# Allegro board 1156197-TDI_VU3P_QSFP28_CXP_V001_1023A-166-20241121_1644_PCB.brd (continued)
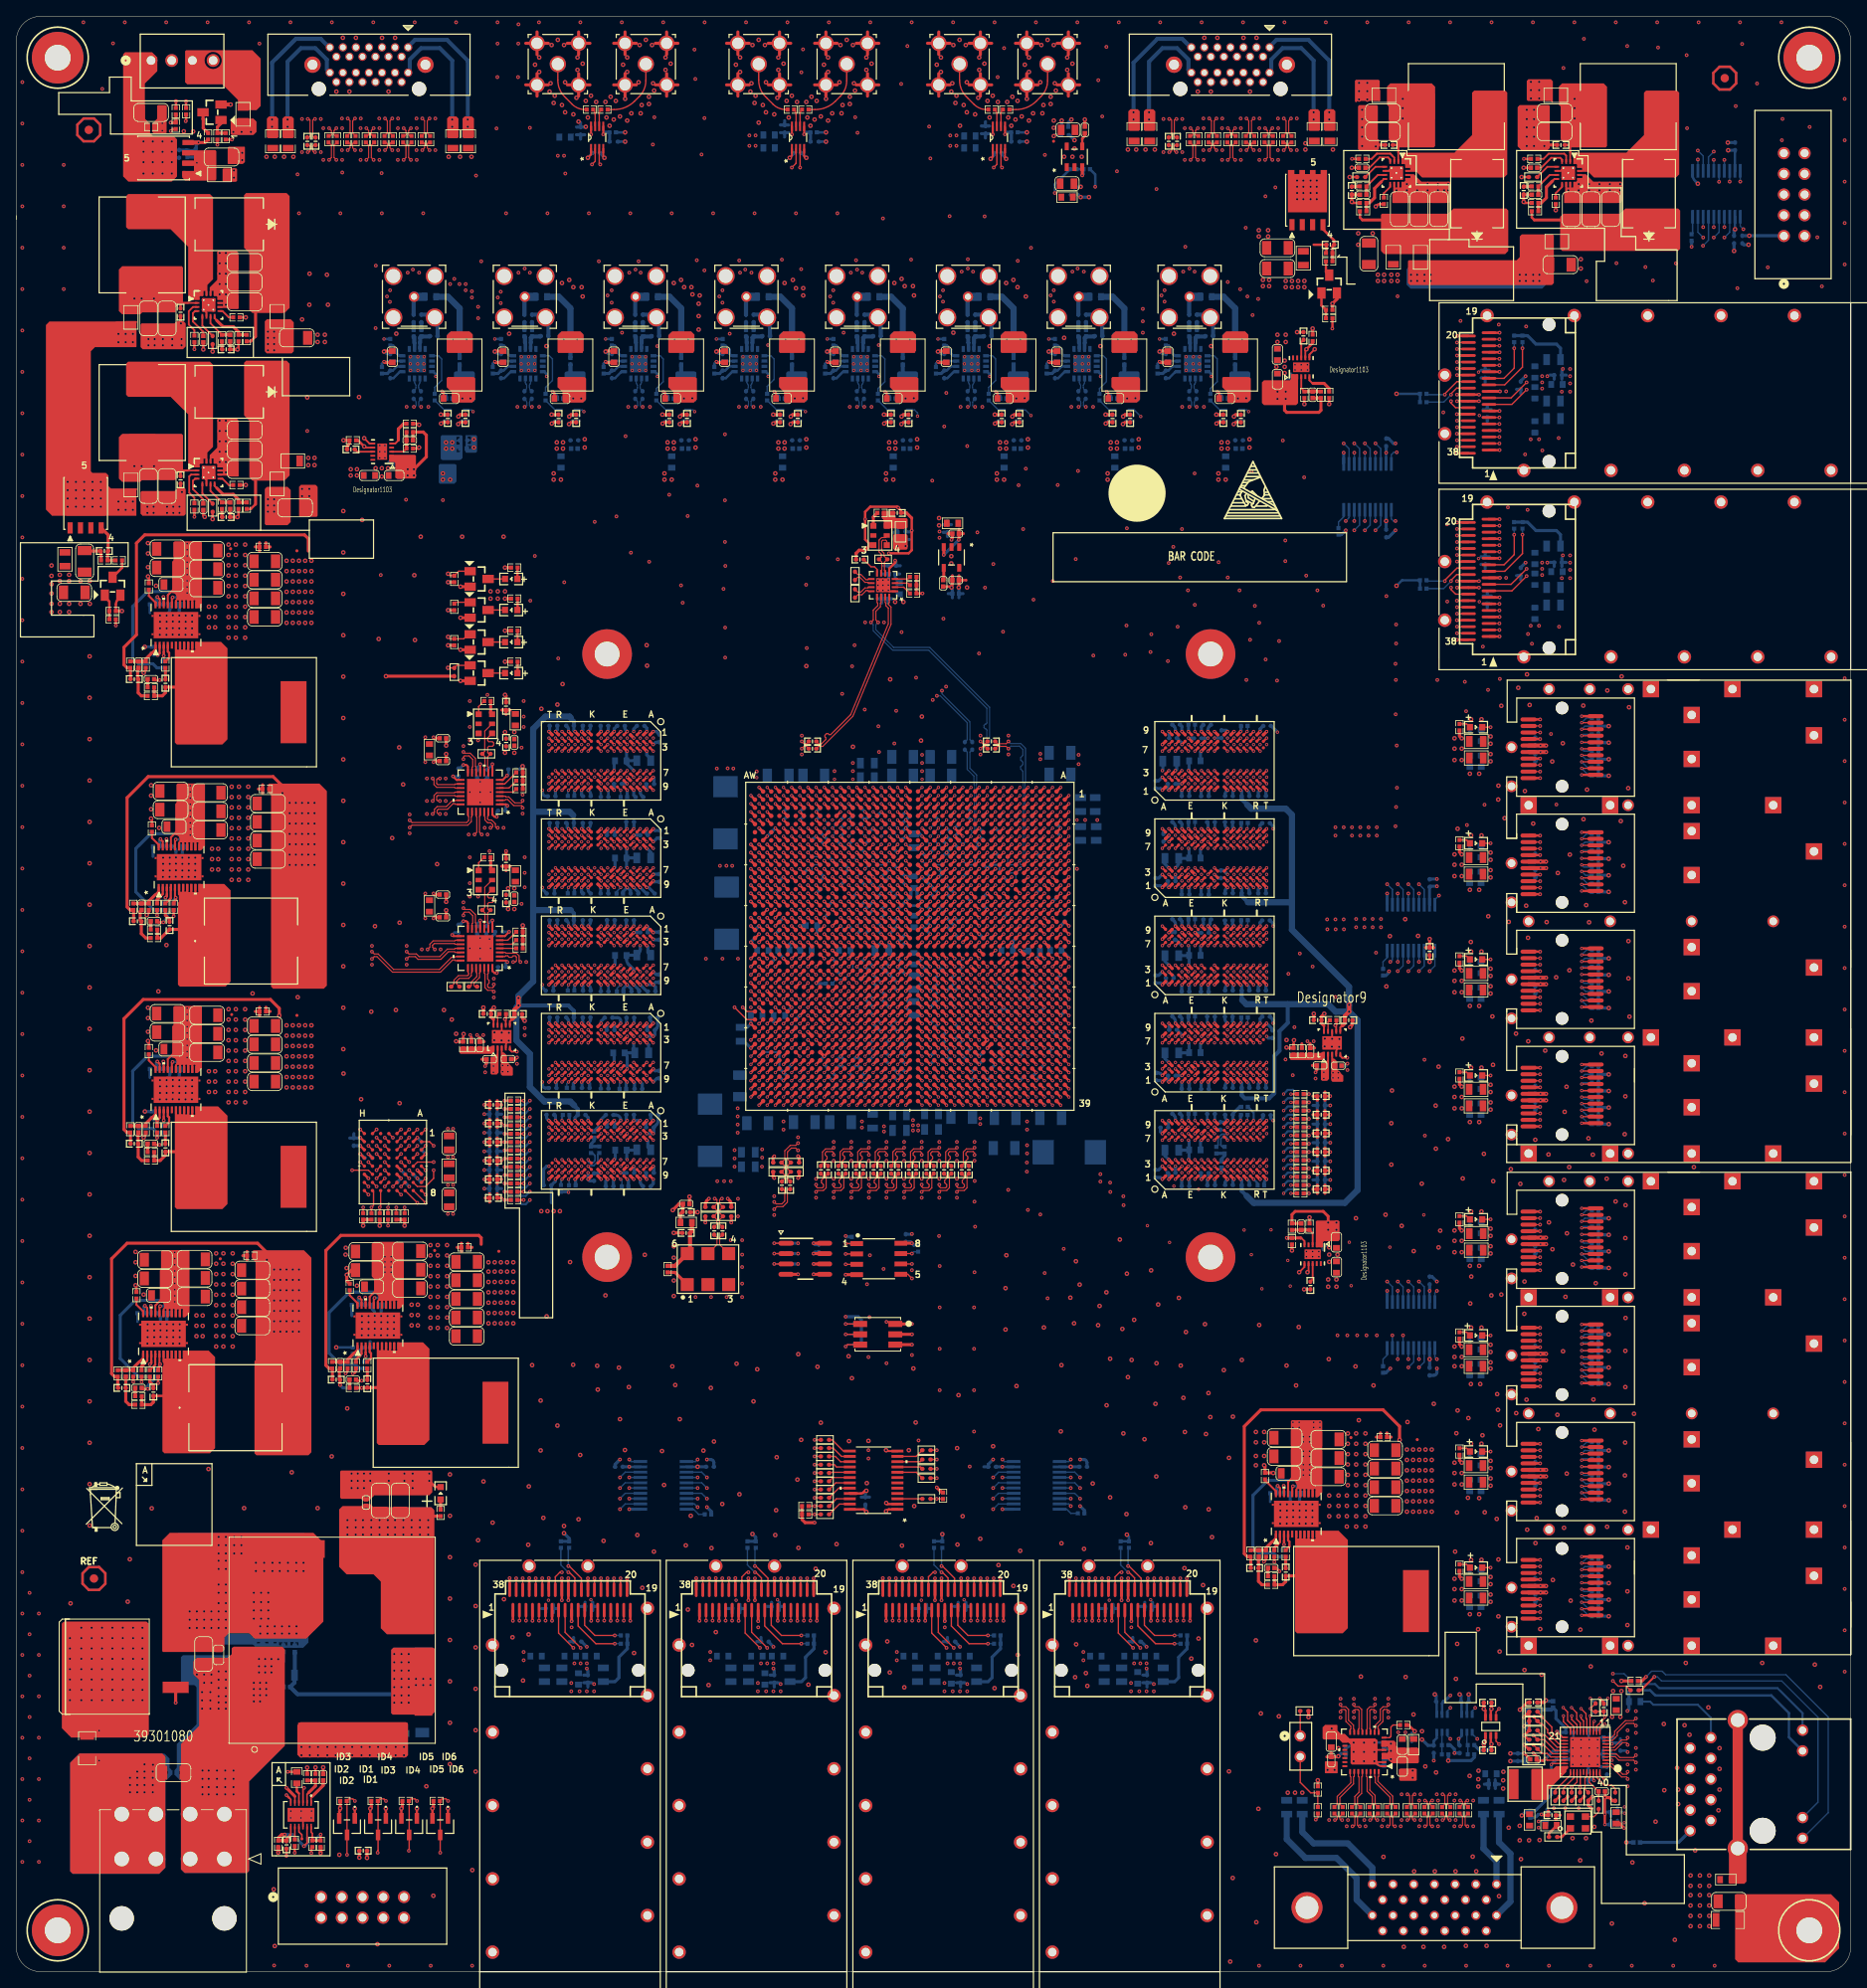
[diagram p0: board, top side]
## Routing (per net, layer and track width the routed paths; a pad name or vN(x,y) marks a point on that pad's centre or on a via; arc(x,y) is an arc through that point) (continued)
CHA_BPI_FLASH_A14: length 138.2
  TOP w0.152: U1.AN32 v1(96.1,113.36)
  TOP w0.17: U3.C5 v1(47.19,99.37)
  ART12 w0.122: v1(47.19,99.37) 46.69,98.87 46.69,95.17 46.99,94.87 53.75,94.87 56.72,91.9 58.47,91.9 59.59,90.78 68.96,90.78 70.33,92.15 76.63,92.15 77.98,90.81 79.63,90.81 80.09,90.35 80.09,82.6 80.39,82.3 90.14,82.3 90.3,82.45 90.3,82.75 90.18,82.87 89.66,82.87 89.53,82.99 89.53,83.24 89.66,83.36 91.06,83.36 91.19,83.48 91.19,83.72 91.06,83.84 89.66,83.84 89.53,83.97 89.53,84.21 89.66,84.33 91.83,84.33 91.95,84.45 91.95,84.7 91.83,84.82 89.66,84.82 89.53,84.94 89.53,85.19 89.66,85.31 91.83,85.31 91.95,85.43 91.95,85.67 91.83,85.8 89.66,85.8 89.53,85.92 89.53,86.16 89.66,86.28 91.83,86.28 91.95,86.4 91.95,86.65 91.83,86.77 89.66,86.77 89.53,86.89 89.53,87.14 89.66,87.26 91.83,87.26 91.95,87.38 91.95,87.62 91.83,87.75 89.66,87.75 89.53,87.87 89.53,88.11 89.66,88.23 91.83,88.23 91.95,88.36 91.95,88.6 91.83,88.72 89.66,88.72 89.53,88.84 89.53,89.09 89.66,89.21 91.83,89.21 91.95,89.33 91.95,89.57 91.83,89.7 89.66,89.7 89.53,89.82 89.53,90.17 89.66,90.3 91.72,90.3 92.78,91.35 92.78,91.53 92.56,91.75 92.56,91.92 92.73,92.09 92.9,92.09 93.12,91.87 93.29,91.87 93.73,92.3 93.73,93.02 93.85,93.15 94.75,93.15 94.87,93.27 94.87,93.51 94.75,93.63 93.85,93.63 93.73,93.76 93.73,94 93.85,94.12 94.75,94.12 94.87,94.24 94.87,94.49 94.75,94.61 93.85,94.61 93.73,94.73 93.73,94.98 93.85,95.1 94.75,95.1 94.87,95.22 94.87,95.46 94.75,95.59 93.85,95.59 93.73,95.71 93.73,98.55 94.61,99.44 94.61,103.13 94.74,103.25 95.33,103.25 95.45,103.37 95.45,103.61 95.33,103.74 94.74,103.74 94.61,103.86 94.61,104.1 94.74,104.22 95.51,104.22 95.63,104.35 95.63,104.59 95.51,104.71 94.69,104.71 94.56,104.83 94.56,105.08 94.69,105.2 95.51,105.2 95.63,105.32 95.63,105.57 95.51,105.69 94.74,105.69 94.61,105.81 94.61,111.51 95.12,112.01 95.12,112.65 95.83,113.36 v1(96.1,113.36)
CHA_BPI_FLASH_A15: length 137.2
  TOP w0.17: U1.AN33 v1(97.1,113.36) ; U3.D7 v1(46.19,96.37)
  ART12 w0.122: v1(46.19,96.37) 46.19,95.03 46.86,94.36 48.26,94.36 48.72,93.9 50.62,93.9 51.16,94.44 52.59,94.44 52.71,94.32 52.71,93.85 52.83,93.73 53.08,93.73 53.2,93.85 53.2,94.32 53.32,94.44 53.54,94.44 56.54,91.44 58.29,91.44 59.39,90.35 69.14,90.35 70.54,91.74 76.25,91.74 77.67,90.32 79.51,90.32 79.63,90.2 79.63,89.89 79.51,89.77 77.72,89.77 77.6,89.65 77.6,89.41 77.72,89.28 79.51,89.28 79.63,89.16 79.63,88.92 79.51,88.8 77.77,88.8 77.65,88.68 77.65,88.43 77.77,88.31 79.51,88.31 79.63,88.19 79.63,87.94 79.51,87.82 77.74,87.82 77.62,87.7 77.62,87.46 77.74,87.33 79.51,87.33 79.63,87.21 79.63,86.97 79.51,86.85 77.34,86.85 77.22,86.72 77.22,86.48 77.34,86.36 79.51,86.36 79.63,86.24 79.63,85.99 79.51,85.87 77.34,85.87 77.22,85.75 77.22,85.51 77.34,85.38 79.51,85.38 79.63,85.26 79.63,85.02 79.51,84.9 77.34,84.9 77.22,84.77 77.22,84.53 77.34,84.41 79.51,84.41 79.63,84.29 79.63,84.04 79.51,83.92 77.34,83.92 77.22,83.8 77.22,83.55 77.34,83.43 79.51,83.43 79.63,83.31 79.63,83.07 79.51,82.94 77.34,82.94 77.22,82.82 77.22,82.58 77.34,82.46 79.65,82.46 80.21,81.89 90.4,81.89 92.46,83.95 92.46,90.17 95.38,93.09 95.38,95.89 95.26,96.01 94.23,96.01 94.11,96.13 94.11,96.38 94.23,96.5 95.26,96.5 95.38,96.62 95.38,96.86 95.26,96.99 94.23,96.99 94.11,97.11 94.11,97.35 94.23,97.47 95.26,97.47 95.38,97.6 95.38,97.84 95.26,97.96 94.23,97.96 94.11,98.08 94.11,98.33 94.23,98.45 96.04,98.45 96.14,98.55 96.14,98.93 96.01,99.06 95.24,99.06 95.12,99.18 95.12,102.39 96.01,103.28 96.01,105.79 95.63,106.17 95.63,112.65 95.83,112.84 96.33,112.84 96.85,113.36 v1(97.1,113.36)
CHA_BPI_FLASH_A16: length 141.2
  TOP w0.152: U1.AR29 v1(94.1,116.36)
  TOP w0.17: U3.D8 v1(47.19,95.37)
  ART12 w0.122: v1(94.1,116.36) 94.63,115.82 96.27,115.82 96.6,115.49 96.6,114.13 96.33,113.86 94.93,113.86 94.6,113.52 94.6,112.13 94.36,111.89 93.85,111.89 93.6,111.63 93.6,102.97 94.16,102.41 94.16,100.8 94.04,100.68 93.59,100.68 93.47,100.56 93.47,100.31 93.59,100.19 94.04,100.19 94.16,100.07 94.16,99.75 93.48,99.07 93.31,99.07 92.85,99.53 92.68,99.53 92.5,99.36 92.5,99.19 92.97,98.73 92.97,98.55 91.95,97.54 91.95,96.9 92.07,96.77 93.1,96.77 93.22,96.65 93.22,96.41 93.1,96.29 92.07,96.29 91.95,96.16 91.95,91.24 91.64,90.93 91.09,90.93 90.96,91.05 90.96,92.08 90.84,92.2 90.57,92.2 90.45,92.08 90.45,90.95 90.33,90.83 90.09,90.83 89.96,90.95 89.96,92.08 89.84,92.2 89.53,92.2 89.41,92.08 89.41,90.8 89.29,90.68 88.95,90.68 88.83,90.8 88.83,91.57 88.7,91.69 88.46,91.69 88.34,91.57 88.34,90.39 88.22,90.27 87.97,90.27 87.85,90.39 87.85,91.32 87.73,91.44 87.48,91.44 87.36,91.32 87.36,90.39 87.24,90.27 87,90.27 86.87,90.39 86.87,91.52 86.75,91.64 86.53,91.64 86.41,91.52 86.41,90.67 86.29,90.55 83.69,90.55 83.01,91.24 82.8,91.24 82.68,91.11 82.68,89.91 82.56,89.79 82.31,89.79 82.19,89.91 82.19,91.11 82.07,91.24 81.83,91.24 81.71,91.11 81.71,89.91 81.58,89.79 81.34,89.79 81.22,89.91 81.22,91.11 81.1,91.24 78.44,91.24 77.09,92.58 70.15,92.58 68.76,91.19 59.82,91.19 58.67,92.33 56.95,92.33 55.54,93.74 55.54,104.99 54.28,106.25 54.28,108.97 53.95,109.3 47.7,109.3 47.37,108.97 47.37,107.95 48.16,107.16 48.16,106.53 48.39,106.3 51.69,106.3 54.61,103.38 54.61,96.14 53.85,95.38 51.05,95.38 50.65,95.78 47.6,95.78 v1(47.19,95.37)
CHA_BPI_FLASH_A17: length 139.3
  TOP w0.152: U1.AR30 v1(94.1,115.36)
  TOP w0.17: v1(50.19,97.37) U3.A7
  ART12 w0.122: v1(94.1,115.36) 93.8,115.36 93.3,114.86 92.89,114.86 92.6,114.57 92.6,114.06 92.39,113.86 91.91,113.86 91.6,113.55 91.6,113.19 91.25,112.84 90.8,112.84 90.6,112.65 90.6,106.98 90.42,106.81 90.42,93.9 90.27,93.75 89.98,93.75 89.86,93.87 89.86,94.39 89.74,94.51 89.49,94.51 89.37,94.39 89.37,93.87 89.25,93.75 86.64,93.75 86.3,93.41 86.13,93.41 85.77,93.77 85.6,93.77 85.42,93.6 85.42,93.43 85.78,93.07 85.78,92.9 85.34,92.46 84.76,92.46 84.63,92.58 84.63,93.63 84.51,93.75 84.27,93.75 84.15,93.63 84.15,92.58 84.02,92.46 83.14,92.46 83.01,92.58 83.01,93.02 82.89,93.14 82.65,93.14 82.53,93.02 82.53,92.58 82.4,92.46 82.16,92.46 82.04,92.58 82.04,93.02 81.92,93.14 81.67,93.14 81.55,93.02 81.55,92.58 81.43,92.46 79.17,92.46 77.77,93.85 69.6,93.85 68.12,92.38 60.53,92.38 59.08,93.83 57.38,93.83 56.87,94.34 56.87,105.56 55.7,106.73 55.7,111.84 55.3,112.24 44.27,112.24 44.15,112.12 44.15,111.88 44.27,111.75 45.47,111.75 45.59,111.63 45.59,111.39 45.47,111.27 44.24,111.27 44.12,111.15 44.12,110.9 44.24,110.78 45.47,110.78 45.59,110.66 45.59,110.41 45.47,110.29 44.24,110.29 44.12,110.17 44.12,109.93 44.24,109.8 45.47,109.8 45.59,109.68 45.59,109.44 45.47,109.32 44.24,109.32 44.12,109.19 44.12,108.95 44.24,108.83 45.47,108.83 45.59,108.71 45.59,108.46 45.47,108.34 44.24,108.34 44.12,108.22 44.12,107.98 44.24,107.85 45.47,107.85 45.59,107.73 45.59,107.49 45.47,107.37 44.24,107.37 44.12,107.24 44.12,107 44.24,106.88 45.85,106.88 45.97,106.76 45.97,106.51 45.85,106.39 44.24,106.39 44.12,106.27 44.12,105.54 44.4,105.26 46.35,105.26 46.86,104.75 50.65,104.75 51.18,104.22 51.18,102.18 51.65,101.71 51.65,99.15 51.79,99.01 52.08,99.01 52.2,98.89 52.2,98.65 52.08,98.52 51.79,98.52 51.66,98.4 51.66,98.16 51.79,98.04 52.08,98.04 52.2,97.91 52.2,97.67 52.08,97.55 51.79,97.55 51.39,97.16 50.41,97.16 v1(50.19,97.37)
CHA_BPI_FLASH_A18: length 138.4
  TOP w0.152: U1.AP28 v1(95.1,117.36)
  TOP w0.17: U3.B7 49.19,96.37 50.19,96.37 51.19,97.37 v1(51.19,98.37)
  ART12 w0.122: v1(95.1,117.36) 93.87,117.36 93.35,116.84 92.96,116.84 92.6,116.48 92.6,116.1 92.36,115.86 91.85,115.86 91.62,115.62 91.62,115.12 91.36,114.86 89.46,114.86 89.03,114.43 89.03,106.93 89.53,106.43 89.53,96.14 88.9,95.5 84.33,95.5 82.85,94.03 78.92,94.03 78.28,94.67 69.06,94.67 68.38,93.98 64.16,93.98 63.53,93.34 61.47,93.34 60.78,94.03 60.78,107.11 60.2,107.7 59.77,107.7 59.65,107.82 59.65,109.23 59.53,109.35 59.28,109.35 59.16,109.23 59.16,107.82 59.04,107.7 58.79,107.7 58.67,107.82 58.67,109.23 58.55,109.35 58.31,109.35 58.18,109.23 58.18,107.31 58.06,107.19 57.82,107.19 57.7,107.31 57.7,109.23 57.57,109.35 57.33,109.35 57.21,109.23 57.21,107.31 57.09,107.19 56.69,107.19 56.57,107.31 56.57,112.34 55.78,113.13 46.77,113.13 46.65,113.25 46.65,114.43 46.53,114.55 46.29,114.55 46.16,114.43 46.16,113.25 46.04,113.13 45.8,113.13 45.68,113.25 45.68,114.43 45.55,114.55 45.31,114.55 45.19,114.43 45.19,113.25 45.07,113.13 44.82,113.13 44.7,113.25 44.7,114.43 44.58,114.55 44.33,114.55 44.21,114.43 44.21,113.25 44.09,113.13 43.66,113.13 43.31,112.78 43.31,105.08 44.04,104.34 46.15,104.34 46.61,103.89 49.4,103.89 49.69,103.6 49.69,98.19 49.96,97.92 50.73,97.92 v1(51.19,98.37)
CHA_BPI_FLASH_A19: length 137.3
  TOP w0.152: v1(94.1,118.36) 94.1,118.36 U1.AR28
  TOP w0.17: U3.C7 v1(47.19,96.37)
  ART07 w0.122: v1(94.1,118.36) 93.68,117.93 89.08,117.93 88.16,117.02 79.57,117.02 79.38,116.82 79.38,108.33 79.12,108.08 64.9,108.08 63.12,109.86 57.15,109.86 56.97,110.03 56.97,112.45 56.64,112.78 42.03,112.78 41.91,112.65 41.91,112.38 42.03,112.26 44.96,112.26 45.09,112.13 45.09,111.89 44.96,111.77 42.03,111.77 41.91,111.65 41.91,111.4 42.03,111.28 44.96,111.28 45.09,111.16 45.09,110.91 44.96,110.79 42.03,110.79 41.91,110.67 41.91,110.43 42.03,110.3 44.96,110.3 45.09,110.18 45.09,109.94 44.96,109.82 42.03,109.82 41.91,109.69 41.91,109.45 42.03,109.33 44.96,109.33 45.09,109.21 45.09,108.96 44.96,108.84 42.03,108.84 41.91,108.72 41.91,108.48 42.03,108.35 44.96,108.35 45.09,108.23 45.09,107.99 44.96,107.87 42.92,107.87 42.8,107.74 42.8,107.5 42.92,107.38 44.96,107.38 45.09,107.26 45.09,107.01 44.96,106.89 42.92,106.89 42.8,106.77 42.8,106.52 42.92,106.4 44.96,106.4 45.09,106.28 45.09,106.04 44.96,105.92 42.03,105.92 41.91,105.79 41.91,105.55 42.03,105.43 44.96,105.43 45.09,105.31 45.09,105.06 44.96,104.94 42.03,104.94 41.91,104.82 41.91,104.57 42.03,104.45 44.96,104.45 45.09,104.33 45.09,104.09 44.96,103.96 43.05,103.96 42.93,103.84 42.93,103.32 43.05,103.2 43.57,103.2 43.69,103.08 43.69,102.84 43.57,102.71 43.05,102.71 42.93,102.59 42.93,101.98 42.69,101.75 42.69,98.2 43.02,97.87 45.49,97.87 46.98,96.37 v1(47.19,96.37)
CHA_BPI_FLASH_A20: length 140.2
  TOP w0.152: U1.AR31 v1(94.1,114.36)
  TOP w0.17: U3.C8 v1(49.19,94.37)
  ART07 w0.122: v1(94.1,114.36) 93.91,114.36 93.42,113.87 87.45,113.87 87.01,113.43 87.01,113.17 87.13,113.05 89.54,113.05 89.66,112.93 89.66,112.68 89.54,112.56 87.13,112.56 87.01,112.44 87.01,112.2 87.13,112.07 89.54,112.07 89.66,111.95 89.66,111.71 89.54,111.59 87.13,111.59 87.01,111.46 87.01,111.22 87.13,111.1 89.54,111.1 89.66,110.98 89.66,110.73 89.54,110.61 87.13,110.61 87.01,110.49 87.01,110.24 87.13,110.12 89.54,110.12 89.66,110 89.66,109.76 89.54,109.64 87.13,109.64 87.01,109.51 87.01,109.27 87.13,109.15 89.54,109.15 89.66,109.03 89.66,108.78 89.54,108.66 87.13,108.66 87.01,108.54 87.01,108.29 87.13,108.17 89.54,108.17 89.66,108.05 89.66,107.81 89.54,107.68 87.13,107.68 87.01,107.56 87.01,107.32 87.13,107.2 89.54,107.2 89.66,107.07 89.66,106.83 89.54,106.71 87.13,106.71 87.01,106.59 87.01,104.78 86.71,104.47 86.09,104.47 85.97,104.35 85.97,102.99 85.85,102.87 85.61,102.87 85.48,102.99 85.48,104.35 85.36,104.47 85.12,104.47 85,104.35 85,102.99 84.87,102.87 84.63,102.87 84.51,102.99 84.51,104.35 84.39,104.47 84.14,104.47 84.02,104.35 84.02,102.99 83.9,102.87 83.65,102.87 83.53,102.99 83.53,104.35 83.41,104.47 83.17,104.47 83.05,104.35 83.05,102.99 82.92,102.87 82.68,102.87 82.56,102.99 82.56,104.35 82.44,104.47 82.19,104.47 82.07,104.35 82.07,102.99 81.95,102.87 81.7,102.87 81.58,102.99 81.58,104.35 81.46,104.47 81.22,104.47 81.09,104.35 81.09,102.99 80.97,102.87 80.73,102.87 80.61,102.99 80.61,104.35 80.48,104.47 79.98,104.47 79.86,104.35 79.86,95.94 79.22,95.3 69.47,95.3 66.93,92.76 63.75,92.76 63.42,93.09 59.18,93.09 58.55,93.73 57.52,93.73 56.89,94.36 56.89,95.89 56.77,96.01 56.52,96.01 56.4,95.89 56.4,94.36 56.28,94.23 56.03,94.23 55.91,94.36 55.91,95.89 55.79,96.01 55.55,96.01 55.43,95.89 55.43,94.36 55.3,94.23 55.06,94.23 54.94,94.36 54.94,95.89 54.82,96.01 54.57,96.01 54.45,95.89 54.45,94.36 54.33,94.23 54.08,94.23 53.96,94.36 53.96,95.89 53.84,96.01 53.6,96.01 53.47,95.89 53.47,94.36 53.35,94.23 53.11,94.23 52.99,94.36 52.99,95.89 52.87,96.01 52.62,96.01 52.5,95.89 52.5,94.36 52.38,94.23 52.13,94.23 52.01,94.36 52.01,95.89 51.89,96.01 51.65,96.01 51.52,95.89 51.52,94.36 51.4,94.23 51.05,94.23 50.42,94.87 49.41,94.87 49.19,94.66 v1(49.19,94.37)
CHA_BPI_FLASH_A21: length 141
  TOP w0.152: U1.AT31 v1(93.1,114.36)
  TOP w0.17: U3.A8 v1(50.19,95.37)
  ART05 w0.122: v1(50.19,95.37) 48.89,95.37 48.67,95.15 48.67,91.67 49.28,91.06 50.8,91.06 51.44,90.42 52.7,90.42 53.47,89.66 53.47,88.65 54.1,88.01 61.95,88.01 62.08,87.88 62.08,84.86 62.33,84.61 62.8,84.61 62.93,84.73 62.93,87.89 63.05,88.01 63.29,88.01 63.41,87.89 63.41,84.73 63.53,84.61 63.78,84.61 63.9,84.73 63.9,87.89 64.02,88.01 64.27,88.01 64.39,87.89 64.39,84.73 64.51,84.61 64.75,84.61 64.88,84.73 64.88,87.89 65,88.01 65.24,88.01 65.36,87.89 65.36,84.73 65.49,84.61 65.73,84.61 65.85,84.73 65.85,87.89 65.97,88.01 66.22,88.01 66.34,87.89 66.34,84.73 66.46,84.61 66.93,84.61 67.06,84.73 67.06,88.65 70.18,91.77 74.35,91.77 76.51,89.61 83.69,89.61 83.87,89.79 83.87,92.1 82.96,93.01 82.96,94.26 83.13,94.44 83.13,98.2 82.4,98.93 82.4,101.43 82.52,101.55 83.12,101.55 83.24,101.43 83.24,99.21 83.36,99.09 83.61,99.09 83.73,99.21 83.73,101.43 83.85,101.55 84.1,101.55 84.22,101.43 84.22,99.21 84.34,99.09 84.58,99.09 84.7,99.21 84.7,101.43 84.83,101.55 85.07,101.55 85.19,101.43 85.19,99.21 85.31,99.09 85.56,99.09 85.68,99.21 85.68,101.43 85.8,101.55 86.05,101.55 86.17,101.43 86.17,99.21 86.29,99.09 86.53,99.09 86.66,99.21 86.66,101.43 86.78,101.55 87.02,101.55 87.14,101.43 87.14,99.21 87.27,99.09 87.48,99.09 87.6,99.21 87.6,101.47 87.73,101.59 88.55,101.59 88.67,101.47 88.67,99.19 88.79,99.07 89.04,99.07 89.16,99.19 89.16,100.84 92.05,103.73 92.05,105.61 92.58,106.15 92.58,113.54 93.1,114.06 v1(93.1,114.36)
CHA_BPI_FLASH_A22: length 137
  TOP w0.152: U1.AV31 v1(91.1,114.36)
  TOP w0.17: U3.G1 v1(44.19,103.37)
  ART05 w0.122: v1(44.19,103.37) 44.19,107.96 44.31,108.08 53.72,108.08 53.84,107.96 53.84,105.91 53.96,105.79 54.2,105.79 54.33,105.91 54.33,107.96 54.45,108.08 54.74,108.08 54.86,107.96 54.86,101.47 55.01,101.32 56.14,101.32 56.26,101.2 56.26,100.96 56.14,100.83 54.99,100.83 54.86,100.71 54.86,100.49 55.01,100.35 56.77,100.35 56.9,100.23 56.9,99.98 56.77,99.86 54.99,99.86 54.86,99.74 54.86,99.49 54.99,99.37 56.77,99.37 56.9,99.25 56.9,99.01 56.77,98.88 54.99,98.88 54.86,98.76 54.86,98.52 54.99,98.4 56.77,98.4 56.9,98.27 56.9,98.03 56.77,97.91 54.99,97.91 54.86,97.79 54.86,97.54 54.99,97.42 56.77,97.42 56.9,97.3 56.9,97.06 56.77,96.93 54.99,96.93 54.86,96.81 54.86,96.59 55.01,96.45 56.77,96.45 56.9,96.32 56.9,96.08 56.77,95.96 54.99,95.96 54.86,95.84 54.86,95.62 54.99,95.5 57.28,95.5 57.4,95.37 57.4,95.13 57.28,95.01 54.99,95.01 54.86,94.89 54.86,94.64 54.99,94.52 57.28,94.52 57.4,94.4 57.4,94.15 57.28,94.03 54.99,94.03 54.86,93.91 54.86,92.96 55.5,92.33 67.61,92.33 69.27,93.98 77.32,93.98 80.39,97.05 80.39,105.64 80.61,105.87 81.11,105.87 81.23,105.75 81.23,105 81.35,104.88 81.6,104.88 81.72,105 81.72,105.75 81.84,105.87 82.08,105.87 82.2,105.75 82.2,105 82.33,104.88 82.57,104.88 82.69,105 82.69,105.75 82.81,105.87 83.06,105.87 83.18,105.75 83.18,105 83.3,104.88 83.55,104.88 83.67,105 83.67,105.75 83.79,105.87 84.03,105.87 84.16,105.75 84.16,105 84.28,104.88 84.52,104.88 84.64,105 84.64,105.75 84.77,105.87 85.01,105.87 85.13,105.75 85.13,105 85.25,104.88 85.5,104.88 85.62,105 85.62,105.75 85.74,105.87 85.98,105.87 86.11,105.75 86.11,105 86.23,104.88 86.47,104.88 86.59,105 86.59,105.75 86.72,105.87 86.96,105.87 87.08,105.75 87.08,105 87.2,104.88 87.45,104.88 87.57,105 87.57,106.37 87.78,106.58 88.7,106.58 88.9,106.78 88.9,114.43 89.79,115.32 90.3,115.32 90.81,115.82 91.44,115.82 91.57,115.7 91.57,115.19 91.1,114.72 v1(91.1,114.36)
CHA_BPI_FLASH_A23: length 136
  TOP w0.152: U1.AW31 v1(90.1,114.36)
  TOP w0.17: U3.H8 v1(43.19,95.37)
  ART05 w0.122: v1(90.1,114.36) 89.66,113.92 89.66,104.14 89,103.48 88.24,103.48 87.66,102.9 87.44,102.9 87.32,103.02 87.32,103.87 87.2,103.99 86.95,103.99 86.83,103.87 86.83,103.02 86.71,102.9 86.47,102.9 86.34,103.02 86.34,103.87 86.22,103.99 85.98,103.99 85.86,103.87 85.86,103.02 85.73,102.9 85.49,102.9 85.37,103.02 85.37,103.87 85.25,103.99 81.51,103.99 81.15,103.63 81.15,96.7 77.5,93.04 69.55,93.04 68.07,91.57 52.88,91.57 51.79,92.66 51.79,93.42 51.91,93.55 53.85,93.55 53.98,93.67 53.98,93.91 53.85,94.03 51.91,94.03 51.79,94.16 51.79,94.4 51.91,94.52 53.85,94.52 53.98,94.64 53.98,94.89 53.85,95.01 51.91,95.01 51.79,95.13 51.79,95.37 51.91,95.5 53.85,95.5 53.98,95.62 53.98,95.86 53.85,95.98 51.91,95.98 51.79,96.11 51.79,97.52 51.91,97.64 53.8,97.64 53.92,97.76 53.92,98.01 53.8,98.13 51.91,98.13 51.79,98.25 51.79,98.5 51.91,98.62 53.8,98.62 53.92,98.74 53.92,98.98 53.8,99.1 51.91,99.1 51.79,99.23 51.79,100.4 51.91,100.52 53.78,100.52 53.9,100.64 53.9,100.86 53.75,101.01 51.91,101.01 51.79,101.13 51.79,101.37 51.91,101.49 53.78,101.49 53.9,101.62 53.9,101.83 53.75,101.98 51.91,101.98 51.79,102.1 51.79,102.35 51.91,102.47 53.78,102.47 53.9,102.59 53.9,102.81 53.75,102.96 51.91,102.96 51.79,103.08 51.79,104.5 51.51,104.78 47.12,104.78 46.69,104.35 46.69,94.62 46.1,94.03 46.1,92.58 46.22,92.46 46.22,91.32 45.83,90.93 44.07,90.93 41.91,93.09 41.91,95.25 42.03,95.37 v1(43.19,95.37)
CHA_BPI_FLASH_A24: length 136.7
  TOP w0.152: U1.AT30 v1(93.1,115.36)
  TOP w0.17: U3.B6 v1(48.19,98.37)
  ART05 w0.122: v1(93.1,115.36) 93.1,115.07 92.58,114.55 92.58,114.17 92.33,113.92 91.95,113.92 91.6,113.57 91.6,104.05 89.59,102.04 82.25,102.04 81.97,101.75 81.97,98.15 82.09,98.02 82.66,98.02 82.78,97.9 82.78,97.66 82.66,97.54 82.09,97.54 81.97,97.41 81.97,97.17 82.09,97.05 82.66,97.05 82.78,96.93 82.78,96.68 82.66,96.56 82.09,96.56 81.97,96.44 81.97,94.79 82.55,94.21 82.55,92.79 83.44,91.9 83.44,90.3 83.19,90.04 82.4,90.04 82.28,90.16 82.28,91.95 82.16,92.08 81.92,92.08 81.79,91.95 81.79,90.16 81.67,90.04 81.36,90.04 81.23,90.16 81.23,92.08 81.11,92.2 80.21,92.2 80.09,92.08 80.09,90.16 79.97,90.04 79.72,90.04 79.6,90.16 79.6,92.08 79.48,92.2 79.24,92.2 79.11,92.08 79.11,90.16 78.99,90.04 78.75,90.04 78.63,90.16 78.63,92.08 78.5,92.2 78.26,92.2 78.14,92.08 78.14,90.16 78.02,90.04 77.77,90.04 77.65,90.16 77.65,92.08 77.53,92.2 77.28,92.2 77.16,92.08 77.16,90.16 77.04,90.04 76.8,90.04 76.68,90.16 76.68,92.08 76.55,92.2 76.27,92.2 76.15,92.08 76.15,91.18 76.03,91.06 75.78,91.06 75.66,91.18 75.66,92.08 75.54,92.2 69.98,92.2 66.17,88.39 55.25,88.39 55,88.64 54.1,88.64 53.98,88.77 53.98,89.01 54.1,89.13 55,89.13 55.12,89.25 55.12,89.5 55,89.62 54.1,89.62 53.98,89.74 53.98,89.99 54.1,90.11 55,90.11 55.12,90.23 55.12,90.68 54.99,90.81 51.65,90.81 50.97,91.48 49.61,91.48 49.15,91.95 49.15,92.57 49.27,92.7 50.68,92.7 50.8,92.82 50.8,93.06 50.68,93.18 49.27,93.18 49.15,93.31 49.15,93.6 49.69,94.14 49.69,94.7 49.86,94.87 50.52,94.87 50.69,95.04 50.69,96.19 50.57,96.31 49.52,96.31 49.4,96.43 49.4,96.68 49.52,96.8 50.57,96.8 50.69,96.92 50.69,99.2 50.57,99.32 49.47,99.32 49.35,99.45 49.35,99.69 49.47,99.81 50.57,99.81 50.69,99.93 50.69,101.74 51.31,102.36 51.31,104.2 51.19,104.32 47.81,104.32 47.69,104.2 47.69,98.59 47.91,98.37 v1(48.19,98.37)
CHA_BPI_FLASH_A25: length 137.3
  TOP w0.152: v1(92.14,115.36) 92.14,115.4 U1.AU30
  TOP w0.17: U3.B8 v1(50.19,94.37)
  ART05 w0.122: v1(92.14,115.36) 92.1,115.32 92.1,115.09 91.57,114.55 91.57,114.05 91.36,113.84 90.86,113.84 90.55,113.54 90.55,107.19 90.09,106.73 90.09,105.98 90.22,105.86 91.06,105.86 91.19,105.73 91.19,105.49 91.06,105.37 90.22,105.37 90.09,105.25 90.09,105 90.22,104.88 91.06,104.88 91.19,104.76 91.19,104.51 91.06,104.39 90.29,104.39 90.17,104.27 90.17,103.53 89.1,102.46 85.07,102.46 84.95,102.59 84.95,103.38 84.83,103.5 84.58,103.5 84.46,103.38 84.46,102.59 84.34,102.46 84.09,102.46 83.97,102.59 83.97,103.38 83.85,103.5 83.61,103.5 83.48,103.38 83.48,102.59 83.36,102.46 83.12,102.46 83,102.59 83,103.38 82.88,103.5 82.63,103.5 82.51,103.38 82.51,102.59 82.39,102.46 82.14,102.46 82.02,102.59 82.02,103.38 81.9,103.5 81.66,103.5 81.53,103.38 81.53,95.68 81.41,95.55 80.72,95.55 80.59,95.43 80.59,95.19 80.72,95.07 81.41,95.07 81.53,94.94 81.53,94.7 81.41,94.58 80.72,94.58 80.59,94.46 80.59,94.21 80.72,94.09 81.93,94.09 82.12,93.9 82.12,93.7 82,93.58 81.53,93.58 81.41,93.46 81.41,93.21 81.53,93.09 82,93.09 82.12,92.97 82.12,92.79 81.94,92.61 79.43,92.61 79.3,92.73 79.3,93.6 79.18,93.73 78.94,93.73 78.82,93.6 78.82,92.73 78.69,92.61 69.7,92.61 68.28,91.19 66.89,91.19 66.77,91.06 66.77,89.78 66.65,89.66 66.4,89.66 66.28,89.78 66.28,91.06 66.16,91.19 65.92,91.19 65.8,91.06 65.8,89.02 65.67,88.9 65.43,88.9 65.31,89.02 65.31,91.06 65.19,91.19 64.94,91.19 64.82,91.06 64.82,89.02 64.7,88.9 64.45,88.9 64.33,89.02 64.33,91.06 64.21,91.19 63.97,91.19 63.84,91.06 63.84,89.02 63.72,88.9 63.48,88.9 63.36,89.02 63.36,91.06 63.23,91.19 62.99,91.19 62.87,91.06 62.87,89.02 62.75,88.9 62.5,88.9 62.38,89.02 62.38,91.06 62.26,91.19 62.02,91.19 61.89,91.06 61.89,89.02 61.77,88.9 61.53,88.9 61.41,89.02 61.41,91.06 61.28,91.19 61.04,91.19 60.92,91.06 60.92,89.02 60.8,88.9 60.55,88.9 60.43,89.02 60.43,91.06 60.31,91.19 60.06,91.19 59.94,91.06 59.94,89.02 59.82,88.9 59.58,88.9 59.46,89.02 59.46,91.06 59.33,91.19 59.09,91.19 58.97,91.06 58.97,89.02 58.85,88.9 58.6,88.9 58.48,89.02 58.48,91.06 58.36,91.19 58.11,91.19 57.99,91.06 57.99,89.02 57.87,88.9 57.63,88.9 57.5,89.02 57.5,91.06 57.38,91.19 57.14,91.19 57.02,91.06 57.02,89.02 56.89,88.9 56.65,88.9 56.53,89.02 56.53,91.06 56.41,91.19 56.16,91.19 56.04,91.06 56.04,89.02 55.92,88.9 55.68,88.9 55.55,89.02 55.55,91.06 55.43,91.19 52.37,91.19 51.28,92.28 51.28,94.15 51.06,94.37 v1(50.19,94.37)
CHA_BPI_FLASH_A26: length 137.7
  TOP w0.152: U1.AT28 93.1,118.36 v1(93.1,118.36)
  TOP w0.17: U3.H1 v1(42.19,103.37)
  ART05 w0.122: v1(93.1,118.36) 93.1,117.74 92.71,117.35 89.66,117.35 87.76,115.44 87.76,109.09 85.78,107.11 79.68,107.11 79.25,106.68 79.25,97.82 77.67,96.24 65.76,96.24 63.37,93.85 59.44,93.85 58.95,94.34 58.95,108.05 56.72,110.29 56.55,110.29 56.17,109.91 56,109.91 55.83,110.08 55.83,110.26 56.2,110.63 56.2,110.8 55.35,111.66 55.1,111.66 54.98,111.54 54.98,109.9 54.86,109.78 54.62,109.78 54.49,109.9 54.49,111.54 54.37,111.66 54.13,111.66 54.01,111.54 54.01,109.9 53.88,109.78 53.64,109.78 53.52,109.9 53.52,111.54 53.4,111.66 53.15,111.66 53.03,111.54 53.03,109.9 52.91,109.78 52.67,109.78 52.54,109.9 52.54,111.54 52.42,111.66 52.18,111.66 52.06,111.54 52.06,109.9 51.93,109.78 51.69,109.78 51.57,109.9 51.57,111.54 51.45,111.66 51.2,111.66 51.08,111.54 51.08,109.9 50.96,109.78 50.71,109.78 50.59,109.9 50.59,111.54 50.47,111.66 50.23,111.66 50.11,111.54 50.11,109.9 49.98,109.78 49.74,109.78 49.62,109.9 49.62,111.54 49.5,111.66 49.25,111.66 49.13,111.54 49.13,109.9 49.01,109.78 48.76,109.78 48.64,109.9 48.64,111.54 48.52,111.66 48.28,111.66 48.15,111.54 48.15,109.9 48.03,109.78 47.79,109.78 47.67,109.9 47.67,111.54 47.54,111.66 47.3,111.66 47.18,111.54 47.18,109.9 47.06,109.78 46.81,109.78 46.69,109.9 46.69,111.54 46.57,111.66 46.33,111.66 46.2,111.54 46.2,109.9 46.08,109.78 45.84,109.78 45.72,109.9 45.72,111.54 45.59,111.66 45.35,111.66 45.23,111.54 45.23,109.9 45.11,109.78 44.86,109.78 44.74,109.9 44.74,111.54 44.62,111.66 44.37,111.66 44.25,111.54 44.25,109.9 44.13,109.78 43.89,109.78 43.77,109.9 43.77,111.54 43.64,111.66 43.4,111.66 42.85,111.11 42.85,105.56 42.19,104.9 v1(42.19,103.37)
CHA_BPI_FLASH_ADV_B: length 138.5
  TOP w0.152: U1.AM33 v3(97.1,112.36)
  TOP w0.17: R26.2 v1(42.55,93.8) ; U3.F6 v1(44.19,97.37)
  ART07 w0.122: v1(44.19,97.37) 43.68,96.87 42.89,96.87 42.55,96.52 v1(42.55,93.8) 42.55,93.34 43.81,92.08 43.81,91.31 44.2,90.93 48.26,90.93 48.95,90.25 66.47,90.25 67.31,89.41 67.31,86.74 67.94,86.11 67.94,81.97 68.26,81.66 79.5,81.66 79.63,81.79 79.63,82.67 79.51,82.79 77.08,82.79 76.96,82.92 76.96,83.16 77.08,83.28 79.51,83.28 79.63,83.4 79.63,83.65 79.51,83.77 77.08,83.77 76.96,83.89 76.96,84.14 77.08,84.26 79.51,84.26 79.63,84.38 79.63,84.62 79.51,84.74 77.08,84.74 76.96,84.87 76.96,85.11 77.08,85.23 79.51,85.23 79.63,85.35 79.63,85.6 79.51,85.72 77.08,85.72 76.96,85.84 76.96,86.09 77.08,86.21 79.51,86.21 79.63,86.33 79.63,86.57 79.51,86.7 77.08,86.7 76.96,86.82 76.96,87.06 77.08,87.18 79.51,87.18 79.63,87.31 79.63,87.55 79.51,87.67 77.85,87.67 77.72,87.79 77.72,88.04 77.85,88.16 79.51,88.16 79.63,88.28 79.63,88.52 79.51,88.65 77.08,88.65 76.96,88.77 76.96,89.01 77.08,89.13 79.51,89.13 79.63,89.26 79.63,89.5 79.51,89.62 77.85,89.62 77.72,89.74 77.72,89.99 77.85,90.11 79.51,90.11 79.63,90.23 79.63,91.29 79.89,91.55 79.89,91.72 79.29,92.33 79.29,92.5 79.46,92.67 79.64,92.67 80.24,92.07 80.41,92.07 81.74,93.4 81.74,93.57 81.2,94.11 81.2,94.28 81.37,94.45 81.54,94.45 82.08,93.91 82.26,93.91 84.07,95.73 84.07,99.95 84.84,100.71 87.25,100.71 88.06,101.52 93.73,101.52 94.08,101.88 94.08,102.51 94.61,103.05 94.61,111.51 95.91,112.8 96.37,112.8 96.81,112.36 v3(97.1,112.36)
CHA_BPI_FLASH_CE_B: length 163.6
  TOP w0.17: U1.AE8 v1(105.1,138.36) ; U3.B4 v1(49.19,100.37) ; R24.2 v1(47.62,93.8)
  ART03 w0.122: v1(47.62,93.8) 47.62,94.23 48.69,95.3 48.69,99.87 v1(49.19,100.37)
  ART07 w0.122: v1(49.19,100.37) 49.57,100.37 49.69,100.25 49.69,99.82 49.81,99.7 50.42,99.7 50.55,99.58 50.55,99.33 50.42,99.21 49.81,99.21 49.69,99.09 49.69,96.11 49.91,95.89 50.8,95.89 50.93,96.01 50.93,97.69 51.07,97.84 52.37,97.84 52.49,97.96 52.49,99.32 52.61,99.44 52.86,99.44 52.98,99.32 52.98,97.33 53.1,97.21 53.34,97.21 53.47,97.33 53.47,99.34 53.59,99.47 53.83,99.47 53.95,99.34 53.95,97.33 54.08,97.21 54.32,97.21 54.44,97.33 54.44,99.45 54.56,99.57 54.81,99.57 54.93,99.45 54.93,97.33 55.05,97.21 55.29,97.21 55.42,97.33 55.42,99.45 55.54,99.57 55.78,99.57 55.9,99.45 55.9,97.28 56.03,97.16 56.27,97.16 56.39,97.28 56.39,99.32 56.51,99.44 56.76,99.44 56.88,99.32 56.88,96.92 57.15,96.65 57.79,96.65 57.91,96.53 57.91,96.22 58.03,96.09 58.55,96.09 58.67,95.97 58.67,95.73 58.55,95.61 58.03,95.61 57.91,95.48 57.91,94.36 58.04,94.23 58.55,94.23 59.31,93.47 63.63,93.47 64.14,93.98 67.41,93.98 69.14,95.71 78.99,95.71 79.38,96.09 79.38,104.7 79.58,104.9 86.38,104.9 86.5,105.02 86.5,105.4 86.38,105.52 84.07,105.52 83.95,105.65 83.95,105.89 84.07,106.01 86.38,106.01 86.5,106.13 86.5,106.38 86.38,106.5 84.07,106.5 83.95,106.62 83.95,106.86 84.07,106.99 86.38,106.99 86.5,107.11 86.5,107.35 86.38,107.47 84.07,107.47 83.95,107.6 83.95,107.84 84.07,107.96 86.38,107.96 86.5,108.08 86.5,108.33 86.38,108.45 84.07,108.45 83.95,108.57 83.95,108.82 84.07,108.94 86.38,108.94 86.5,109.06 86.5,109.3 86.38,109.43 84.07,109.43 83.95,109.55 83.95,109.79 84.07,109.91 86.38,109.91 86.5,110.03 86.5,114.19 86.87,114.55 89.28,114.55 89.66,114.94 97.54,114.94 97.66,115.06 97.66,115.57 97.92,115.82 98.17,115.82 98.55,116.2 98.55,116.56 98.83,116.84 99.31,116.84 99.57,117.09 99.57,117.6 99.85,117.88 102.26,117.88 102.62,118.24 102.62,120.65 102.87,120.9 104.39,120.9 104.52,121.03 104.52,124.71 105.66,125.86 105.66,137.79 v1(105.1,138.36)